# Altium PCB MB_PCB.PcbDoc (part 4 of 4)
Units mm, origin at the board's own origin, x right, y up, seen from the top; angles counter-clockwise.
Board outline 140 x 163 mm, 2 copper layers (Top Layer, Bottom Layer); 363 components, 293 nets, 1486 pads, 1369 vias.
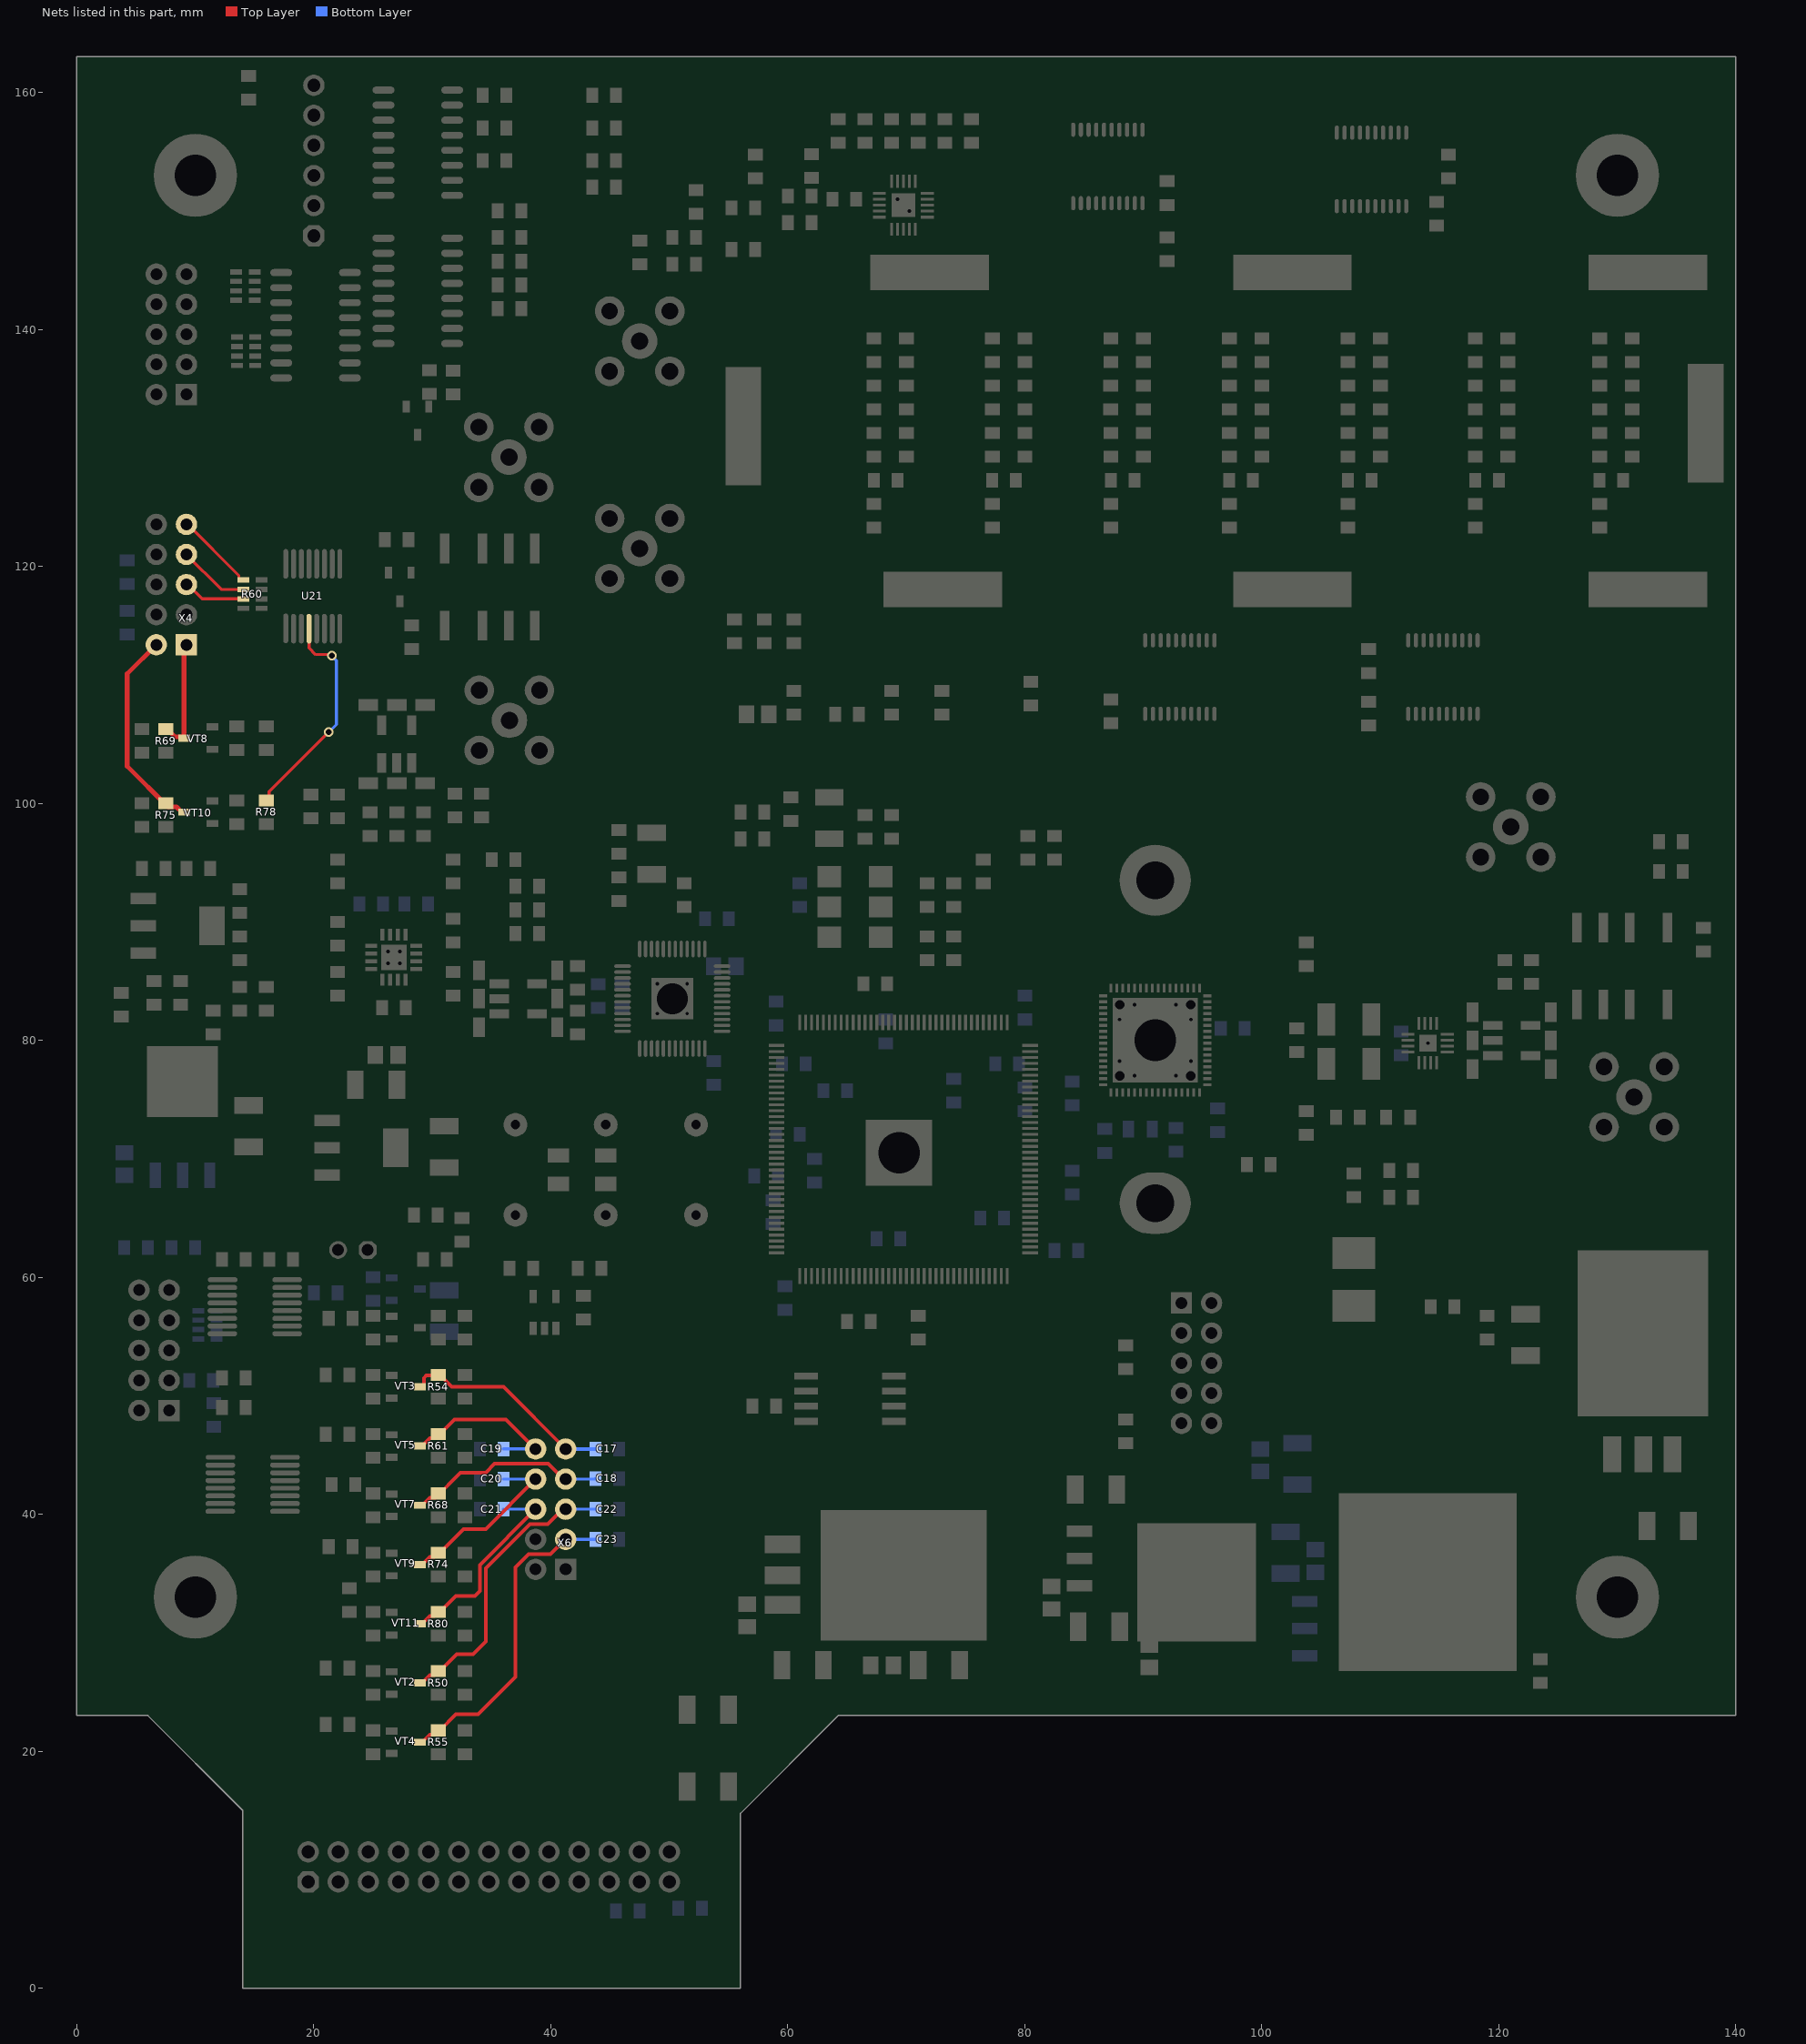
[diagram p4: the nets of this part, all layers, seen from the top]

## Via types
v1: diameter 0.8, hole 0.6, Top Layer to Bottom Layer, tented both sides, 1132 vias
v2: diameter 0.8, hole 0.5, Top Layer to Bottom Layer, tented both sides, 211 vias
v3: diameter 2, hole 1.5, Top Layer to Bottom Layer, tented both sides, 8 vias
v4: diameter 1, hole 0.6, Top Layer to Bottom Layer, tented both sides, 6 vias
v5: diameter 0.7, hole 0.5, Top Layer to Bottom Layer, tented both sides, 2 vias
v6: diameter 1.2, hole 0.8, Top Layer to Bottom Layer, tented both sides, 2 vias
v7: diameter 0.6, hole 0.4, Top Layer to Bottom Layer, tented both sides, 2 vias
v8: diameter 1, hole 0.5, Top Layer to Bottom Layer, tented both sides, 1 vias
v9: diameter 0.7, hole 0.4, Top Layer to Bottom Layer, tented both sides, 1 vias
v10: diameter 0.5, hole 0.4, Top Layer to Bottom Layer, tented both sides, 1 vias
v11: diameter 1.5, hole 1, Top Layer to Bottom Layer, tented both sides, 1 vias
v12: diameter 1.2, hole 0.9, Top Layer to Bottom Layer, tented both sides, 1 vias
v13: diameter 1.8, hole 1.2, Top Layer to Bottom Layer, tented both sides, 1 vias

## Nets (pads, with @x,y where several pads share a name; then routed paths per layer and width w, separated by ;. In a path a pad name is that pad's centre, name@x,y a point inside that pad or via, vN(x,y) a via of type N, cw(c..) or ccw(c..) an arc to the next point about the centre after c; other vN are vias at no path point) (continued)
TN_T: R78.2 U21.4 | length 18.6
  Top Layer w0.254: R78.2@16,100.25 16.232,100.482 16.232,100.982 v2(21.25,106) ; U21.4@19.59,114.737 19.59,113.116 20.153,112.554 21.415,112.554 v2(21.52,112.449)
  Bottom Layer w0.254: v2(21.25,106) 21.894,106.644 21.894,112.027 21.52,112.402 v2(21.52,112.449)
"TUNE CLK": R60.4 X4.9 | length 6.9
  Top Layer w0.254: X4.9@9.25,123.54 9.352,123.54 13.669,119.223 13.669,118.948 13.767,118.85 R60.4@14.042,118.85
"TUNE OE": R60.2 X4.5 | length 5.3
  Top Layer w0.254: X4.5@9.25,118.46 9.355,118.46 10.565,117.25 R60.2@14.042,117.25
"TUNE RCLK": R60.3 X4.7 | length 6
  Top Layer w0.254: X4.7@9.25,121 12.2,118.05 R60.3@14.042,118.05
TUNE_ANT: R69.2 VT8.3 X4.1 | length 9.8
  Top Layer w0.254: X4.1@9.05,113.18 X4.1@9.25,113.38
  Top Layer w0.4: R69.2@7.5,106.25 7.625,106.25 8.275,105.6 8.95,105.6 VT8.3@9.05,105.5 X4.1@9.05,113.18
TUNE_T: R75.2 VT10.3 X4.2 | length 17.7
  Top Layer w0.4: X4.2@6.71,113.38 4.25,110.92 4.25,103.125 7.675,99.7 8.4,99.7 8.85,99.25 VT10.3@9.05,99.25
VHF_1.2G: C22.1 R50.2 VT2.3 X6.5 | length 24.5
  Top Layer w0.3: VT2.3@28.95,25.75 29.15,25.75 29.8,26.4 30.15,26.4 R50.2@30.5,26.75 30.625,26.75 32.05,28.175 33.425,28.175 34.5,29.25 34.5,35.438 38.232,39.17 39.748,39.17 40.998,40.42 X6.5@41.25,40.42
  Bottom Layer w0.254: X6.5@41.25,40.42 C22.1@43.75,40.42
VHF_2.4G: C23.1 R55.2 VT4.3 X6.3 | length 27.3
  Top Layer w0.3: VT4.3@28.95,20.75 29.15,20.75 29.8,21.4 30.15,21.4 R55.2@30.5,21.75 30.625,21.75 31.978,23.103 33.853,23.103 37,26.25 37,35.5 38.109,36.609 39.979,36.609 X6.3@41.25,37.88
  Bottom Layer w0.254: X6.3@41.25,37.88 C23.1@43.75,37.88
VHF_144: C20.1 R74.2 VT9.3 X6.8 | length 15.5
  Top Layer w0.3: VT9.3@28.95,35.75 29.15,35.75 29.8,36.4 30.15,36.4 R74.2@30.5,36.75 30.625,36.75 32.625,38.75 34.5,38.75 X6.8@38.71,42.96
  Bottom Layer w0.254: C20.1@36,42.96 X6.8@38.71,42.96
VHF_430: C21.1 R80.2 VT11.3 X6.6 | length 17.8
  Top Layer w0.3: VT11.3@28.95,30.75 29.15,30.75 29.8,31.4 30.15,31.4 R80.2@30.5,31.75 30.625,31.75 31.978,33.103 33.603,33.103 34,33.5 34,35.71 X6.6@38.71,40.42
  Bottom Layer w0.254: C21.1@36,40.42 X6.6@38.71,40.42
VHF_FM: C19.1 R61.2 VT5.3 X6.10 | length 14.4
  Top Layer w0.3: VT5.3@28.95,45.75 29.15,45.75 29.8,46.4 30.15,46.4 R61.2@30.5,46.75 30.625,46.75 31.875,48 36.21,48 X6.10@38.71,45.5
  Bottom Layer w0.254: C19.1@36,45.5 X6.10@38.71,45.5
VHF_LNA: C18.1 R68.2 VT7.3 X6.7 | length 16.8
  Top Layer w0.3: VT7.3@28.95,40.75 29.15,40.75 29.8,41.4 30.275,41.4 32.375,43.5 34.5,43.5 35.25,44.25 37.402,44.25 39.788,44.25 41.078,42.96 X6.7@41.25,42.96
  Bottom Layer w0.254: X6.7@41.25,42.96 43.71,42.96 C18.1@43.75,43
VHF_TX: C17.1 R54.2 VT3.3 X6.9 | length 18.2
  Top Layer w0.3: VT3.3@28.95,50.75 29.15,50.75 29.3,50.9 29.3,51.5 29.5,51.7 30.45,51.7 R54.2@30.5,51.75 30.625,51.75 31.625,50.75 36,50.75 X6.9@41.25,45.5
  Bottom Layer w0.3: X6.9@41.25,45.5 C17.1@43.75,45.5
pads on no net: C16. C24. C27. C33. C35. C38. C39. C41. C43. C59. C63. C68. C70. C75. C84. C168. D1.0 D1.23 R60.1 R60.5 R84.4 R84.8 T1.5 T2.5 T3.2 T3.5 T3.8 U3.7 U3.10 U3.11 U3.23 U3.24 U3.25 U3.39 U3.80 U3.83 U3.91 U3.127 U3.128 U3.129 U11.0@95,76 U11.1@95.9,75.1 U11.21 U11.22 U11.23 U11.24 U11.25 U11.26 U11.27 U11.28 U11.29 U11.30 U11.33 U11.34 U11.35 U11.36 U11.37 U11.38 U11.39 U11.40 U12. U12.6 U12.7 U13.0 U14.1@46.25,79.5 U14.25 U15. U15.18 U16. U16.18 U17. U17.18 U18. U18.18 U19.3 U20.12 U20.13 U21.5 U21.6 U21.11 U21.12 U21.13 U21.14 U22. U22.25 U23. U23.15 U23.25 U24. U24.2 U24.3 U24.15 U24.25 VT1. VT2. VT3. VT4. VT5. VT6. VT7. VT8. VT9. VT10. VT11. VT12. VT13. X1.42 X2. X2.6 X2.7 X2.8 X3. X4. X5. X6. X15.23 X15.24 XG1.0 Z1. Z1.1
copper on no net: | length 21
  Bottom Layer w0.254: 97.077,77.27 98.056,77.27 101.25,74 101.25,67.5 ; 99.118,83.622 101.75,86.254 101.75,91.5

## Polygon pours and split planes (outlines as drawn)
GND on Bottom Layer "Top" (solid, remove dead copper, pour order 0): 0,163 140,163 140,23 64.25,23 56,14.75 56,0 14,0 14,15 6,23 0,23
GND on Top Layer "Top" (solid, pour order 1): 0,163.179 140,163.179 140,23.179 64.25,23.179 56,14.929 56,0.179 14,0.179 14,15.179 6,23.179 0,23.179

## Keep-outs
Keep-Out Layer:
  the board outline again, w0.254

## Silkscreen, mask and mechanical layers (free items; w line width, h text height)
Top Overlay:
  circle w0.2: c60,58.75 r0.559
  text "Wolf2 Mainboard v0.4" at 105,160.041 h3.5
  text "WOLF TEAM" at 124.5,158.024 h2
  text "160M" at 65.75,120.524 h2
  text "80M" at 76.25,120.524 h2
  text "40M" at 86.35,120.524 h2
  text "30M" at 95,120.524 h2
  text "20M" at 106.5,120.524 h2
  text "10M 12M" at 115.75,120.524 h2
  text "15M  17M" at 127.25,120.524 h2
  text "ANT2" at 3,103.55 h1.5 r90
  text "VHF/UHF" at 132.801,98.017 h1.5
  text "TUNE_T" at 2.983,96.75 h1.5 r90
  text "+" at 25.5,65.066 h2
  text "HF_TX" at 34.537,53.95 h1.2 r90
  text "VHF_TX" at 34.572,48.951 h1 r90
  text "FM" at 34.75,45 h1.5 r90
  text "LNA" at 34.725,39.456 h1.5 r90
  text "144M" at 34.771,34.168 h1.5 r90
  text "430M" at 34.733,29.05 h1.5 r90
  text "1.2G" at 34.734,24.5 h1.5 r90
  text "2.4G" at 34.734,19.499 h1.5 r90

## Text inside footprints (layer, text, board x,y; h text height)
U3: Mechanical 15 "*" at 59.742,58.227 h1.27 r270; Mechanical 15 "*" at 59.742,58.227 h1.27 r270